# Altium PCB Health Bracelet PCB.PcbDoc (continued)
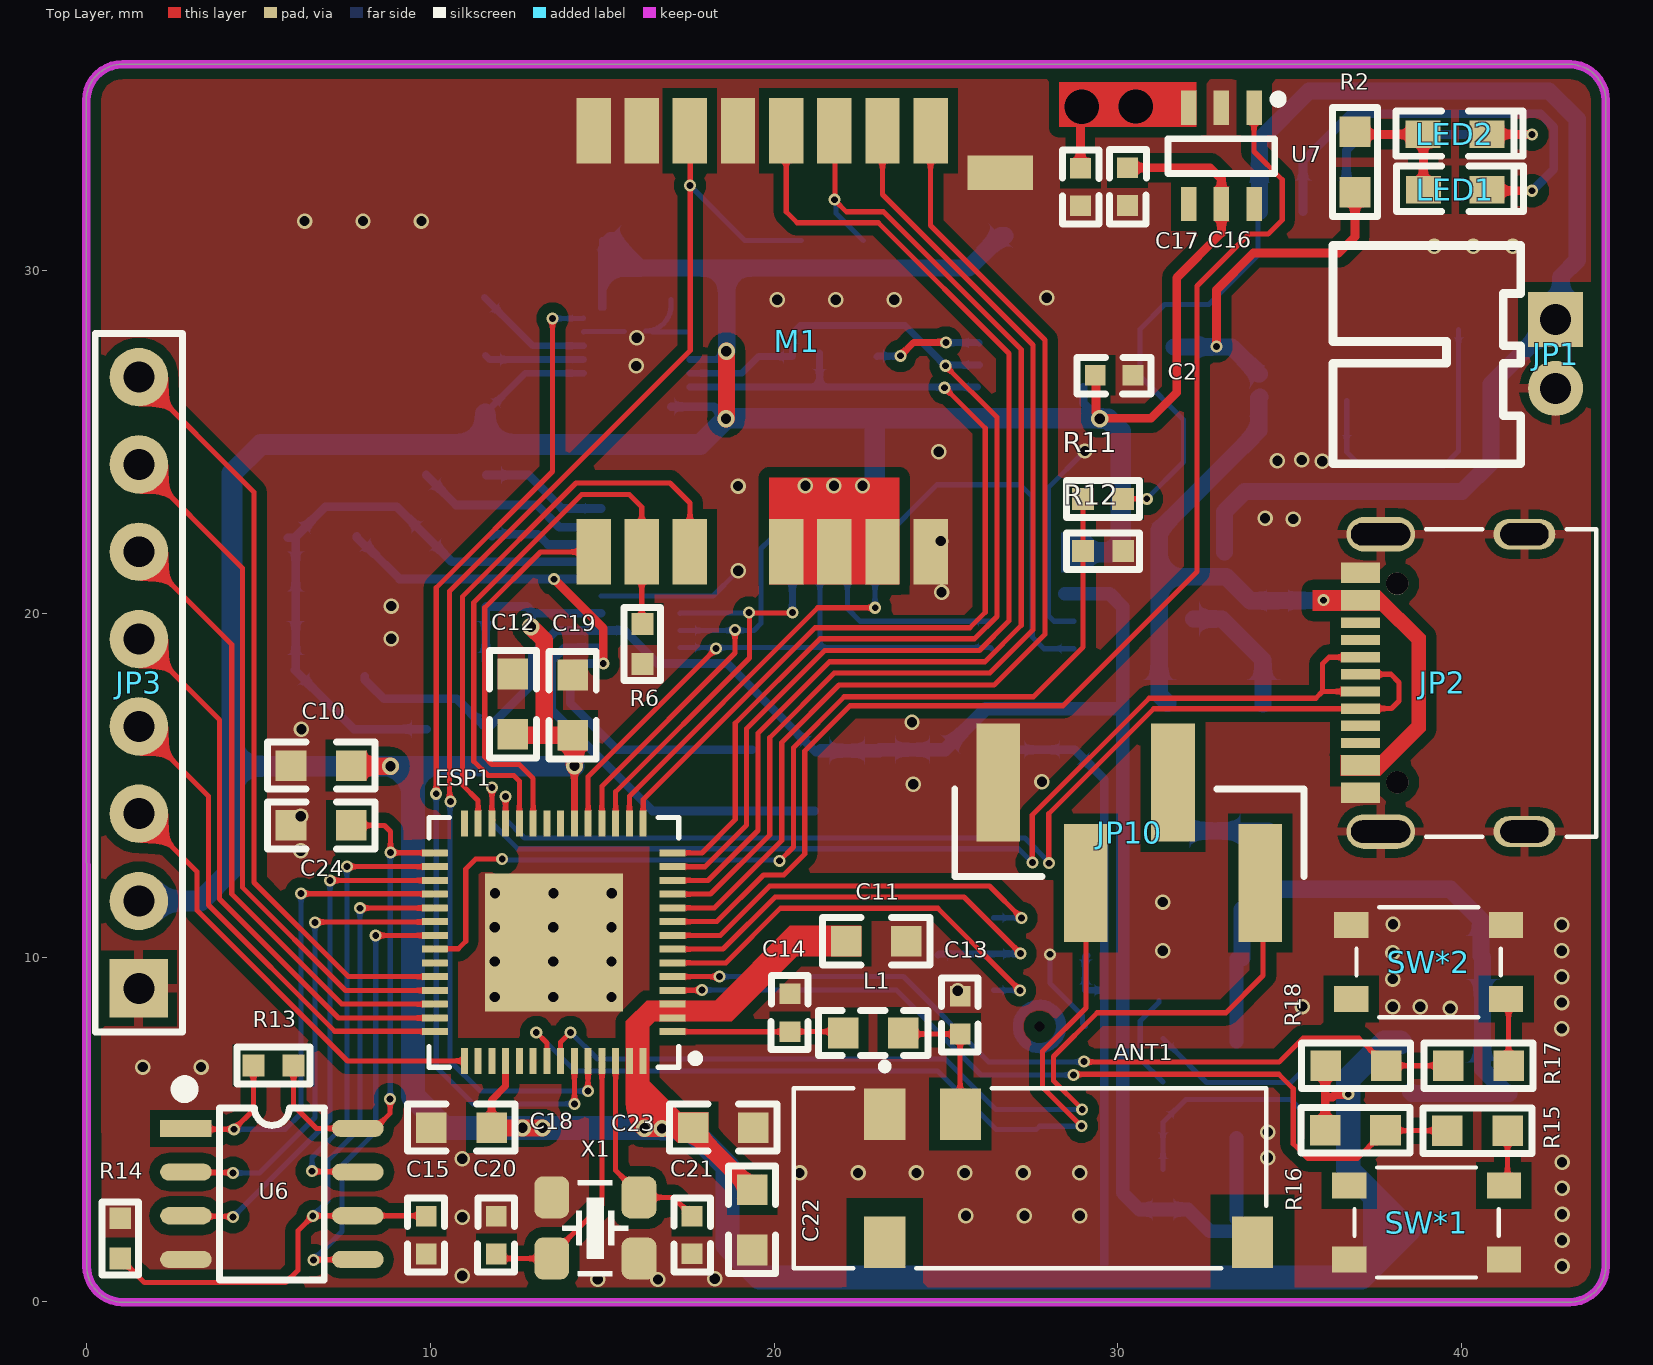
[diagram p0: Top Layer view]
## Footprints (in the part's own frame and the unit in brackets; to place one, negate y for a bottom-side part, rotate by r counter-clockwise, add the part's x,y. Pads: shape width x height; smd on the part's side, far side on the other; paste and mask are expansions set on the pad) (continued)
  oval 0.9x1.8 hole 0.65 slot 1.4 at 90 deg: S3(-4.071,-0.833) S4(4.579,-0.833)
  round 0.65 hole 0.65 unplated: ""(-2.636,2.867) ""(3.144,2.867)
  silkscreen extent -4.22,-2.92 4.72,2.03, body extent -4.22,-3.36 4.72,4.39, height 3.26
XTAL-3225-4 [mil]
  rrect50% 40x48 smd: 1(-50,-35) 2(50,-35) 3(50,35) 4(-50,35)
  silkscreen extent -38,-54 38,54, body extent -63,-49 63,49, height 41

## Part data
C1 C2 C3 C4 C5 C6 C7 C8 C9 C10 C11 C12 C13 C14 C15 C16 C17 C18 C19 C20 C21 C22 C23 C24 C25 C27 C28 C29 C30 C31 C32 C33 C34 C35 C36 C37 C38: library part C, "Non-polar patch capacitor", BOM名称=无极性贴片电容, 学习资源=www.ooocke.com, 版权归属=源创客
ESP1: library part "ESP32-S3 CHIP"
FB1: library part FB, "Ferrite Bead", BOM名称=贴片电阻, 学习资源=www.ooocke.com, 版权归属=源创客
JP1: library part "Header 2", "2P Connector", BOM名称=2P接插件, 学习资源=www.ooocke.com, 版权归属=源创客
JP2: library part USB-C-RIGHT
JP3: library part "Header 8", "8P Connector", BOM名称=8P接插件, 学习资源=www.ooocke.com, 版权归属=源创客
JP10: library part "Header 4", "4P Connector", BOM名称=4P接插件, 学习资源=www.ooocke.com, 版权归属=源创客
L1: library part L, "Low power chip inductor", BOM名称=小功率贴片电感, 学习资源=www.ooocke.com, 版权归属=源创客
LED1 LED2: "Patch LED", BOM名称=贴片LED, 学习资源=www.ooocke.com, 版权归属=源创客
R1 R2 R3 R4 R5 R6 R7 R8 R9 R10 R11 R12 R13 R14 R15 R16 R17 R18 R19 R20 R21: library part R, "Chip resistor", BOM名称="Chip resistor", 学习资源=www.ooocke.com, 版权归属=源创客
RA1 RA2: library part R-ARR, "4 way Chip Resistor Array"
SW*1 SW*2: library part "TSW 3x3", "3x3 tact switch"
U3: "P-Channel"
U5: library part RT9166A-33GXL
U6: "Two-wire Serial EEPROM", BOM名称=外置EEPROM, 学习资源=www.ooocke.com, 版权归属=源创客
U8: "Body Temprature"
U11: library part MAX86150EFF+
X1: library part XTAL-4, "4-Pin crystal", BOM名称=4脚晶振, 学习资源=www.ooocke.com, 版权归属=源创客
Z1 Z2: library part 1N4106, "12V/0.5W voltage regulator", BOM名称=12V/0.5W稳压管, 学习资源=www.ooocke.com, 版权归属=源创客

## Free pads (board coordinates)
  round 0 hole 1: 30(28.95,34.75) 30(30.52,34.76)

## Via types
v1: diameter 0.45, hole 0.3, Top Layer to Bottom Layer, tented both sides, 85 vias
v2: diameter 0.35, hole 0.2, Top Layer to Bottom Layer, tented both sides, 56 vias
v3: diameter 0.5, hole 0.3, Top Layer to Bottom Layer, tented both sides, 10 vias

## Nets (pads, with @x,y where several pads share a name; then routed paths per layer and width w, separated by ;. In a path a pad name is that pad's centre, name@x,y a point inside that pad or via, vN(x,y) a via of type N, cw(c..) or ccw(c..) an arc to the next point about the centre after c; other vN are vias at no path point)
1.8V: C4.1 C29.1 C30.1 C35.1 C36.1 FB1.2 R7.1 U4.5 U10.11 U11.14 | length 51.6
  Bottom Layer w0.254: C36.1@8.091,18.179 8.091,18.088 8.266,17.912 8.649,17.53 10.769,17.53 C35.1@11.529,16.77 ; C35.1 12.96,17.961 12.96,18.82 13.66,19.52 U11.14 15.65,19.52 16.61,18.56 18.635,18.56 FB1.2 21.215,15.98 FB1.2@21.36,15.98 ; C29.1@23.053,16.024 C29.1
  Bottom Layer w0.4: FB1.2@21.36,16.024 C29.1@23.053,16.024 ; C29.1 C30.1 26.155,17.24 30.08,17.24 ; U10.11@28.45,20.59 29.75,20.59 30.14,20.2 30.14,3.16 30.622,2.678 R7.1 32.042,2.678 32.68,2.04 C4.1@33.58,2.04 ; U4.5 33.45,2.39 C4.1@33.66,2.18
1.8VD: C31.2 C32.2 FB1.1 U11.13 | length 11.8
  Bottom Layer w0.254: U11.13@14.86,19.02 13.906,19.02 13.52,18.634 13.52,17.21 16.459,14.271 17.53,14.271 19.36,14.271 FB1.1
3.3V: C2.2 C3.1 C6.1 C9.1 C10.1 C11.1 C12.1 C16.1 C18.1 C19.1 C22.1 C23.1 C25.1 C27.1 C28.1 C33.1 C34.1 ESP1.2 ESP1.3 ESP1.20 ESP1.46 ESP1.55 ESP1.56 JP3.2 M1.5 M1.6 M1.7 R16.1 R18.1 RA1.1 RA1.2 RA1.3 RA1.4 RA2.1 RA2.2 RA2.3 RA2.4 U2.1 U2.8 U2.13 U2.22 U5.3 U7.5 U8.8 U9.6 U9.7 U10.9 U10.10 U11.15 | length 196.6
  Top Layer w0.15: v3@14.15,15.58 v3@14.19,15.54
  Top Layer w0.2: C18.1 11.779,5.854 12.189,6.265 ESP1.46@12.189,6.909 ; C12.1 C12.1@12.43,16.471 ; ESP1.20@14.19,13.903 v3@14.19,15.54 ; M1.5@20.22,21.71 20.315,21.805 M1.5 M1.6 M1.7
  Top Layer w0.254: C10.1 C10.1@7.719,15.57 ; C2.2 29.36,26.92 29.36,25.857 29.47,25.747 v3(29.47,25.68) 29.48,25.69 30.96,25.69 31.71,26.44 31.71,29.78 33.01,31.08 U7.5 33.01,32.65 32.68,32.98 C16.1 ; R16.1 36.031,5.94 ; R18.1@36.04,7.01 36.031,7.001 36.031,5.94 ; v2(36.7,6.03) 36.682,6.012 36.313,6.012 36.241,5.94 36.031,5.94
  Top Layer w0.5: C10.1@7.719,15.57 v3(8.84,15.57) ; C18.1@11.87,5.02 11.9,5.05 v3(13.26,5.05) ; C12.1@12.43,16.471 13.31,16.471 ; v3(12.92,19.63) 13.31,19.24 13.31,16.471 ; C19.1 13.31,16.471 ; v3@14.189,15.58 C19.1@14.189,16.258 ; v3(16.23,5.04) C23.1@17.58,5.04 ; C23.1@17.58,5.08 17.621,5.08 C23.1 17.836,4.865 17.836,4.774 C22.1 ; v3(18.6,25.68) 18.61,25.69 v3(18.61,27.64)
  Bottom Layer w0.2: C9.1 12.759,27 U2.8 ; U2.13 C3.1@15,30.86 ; U2.22 18.329,27.4 18.569,27.64 v3(18.61,27.64) ; U9.7@29.1,10.06 29.08,10.06 29.054,10.033 U9.6 29.524,9.054 29.55,9.08
  Bottom Layer w0.254: C34.1@11.609,18.635 C33.1@11.609,20.2 ; C33.1 12.801,20.22 12.95,20.071 ; v3(12.92,19.63) 12.95,19.66 12.95,20.02 U11.15 ; U2.1@17.017,26.03 18.25,26.03 v3(18.6,25.68) ; C27.1 C28.1 29.6,15.193 29.6,0.74 29.61,0.73 ; U8.8 28.995,26.135 29.45,25.68 v3(29.47,25.68)
  Bottom Layer w0.5: C3.1@15.26,30.86 15.291,30.86 16.091,30.06 18.62,30.06 ; v3(18.6,25.68) v3@18.61,25.69 ; v3(18.61,27.64) 18.62,27.65 18.62,30.06 ; RA2.1 RA2.2 RA2.3 RA2.4@22.88,23.05 ; RA1.1@22.93,25.54 RA1.1 ; C25.1@26.71,31 26.591,31 25.651,30.06 18.62,30.06 ; U5.3@38.199,7.526 U5.3
  Bottom Layer w0.6: JP3.2 3.31,11.65 4.23,12.57 4.23,15.57 ; C9.1@11.599,25.82 11.599,24.93 ; v3@14.18,15.57 9.52,15.57 v3(8.84,15.57) 4.23,15.57 ; v3(16.23,5.04) v3(16.23,5.04) ; v3@16.729,5.041 v3(16.74,5.03) ; v3(18.6,25.68) 17.85,24.93 11.599,24.93 ; v3@18.61,25.69 RA1.4 RA1.3 RA1.2 RA1.1@22.86,25.69 ; RA2.4 RA1.1@22.93,25.54 ; RA1.1 v3@29.53,25.69 ; 28.767,21.79 29.787,21.79 30.08,22.083 30.08,25.31 29.71,25.68 v3(29.47,25.68) ; 4.23,15.57 4.23,24.09 5.07,24.93 11.599,24.93
  Bottom Layer w0.7: 9.49,15.48 9.49,5.97 10.41,5.05 v3@16.22,5.05 ; v3(16.23,5.04) v3@16.729,5.041 ; v3(16.74,5.03) 17.54,5.03 18.64,3.93 18.64,1.638 19.578,0.7 29.6,0.7 37.087,0.7 C6.1 ; U5.3@38.199,7.535 37.758,7.535 36.7,6.477 36.7,3.827 C6.1@38.397,2.13
  other v1: 20.91,23.73 21.74,23.73 22.57,23.73
  other v3: 12.68,5.05 14.19,15.58
5VUSB: C1.1 JP2.A4 JP2.A9 JP2.B4 JP2.B9 R2.1 R3.2 U1.4 U3.1 Z1.1 | length 25.6
  Top Layer w0.254: v2(32.87,27.78) 32.87,29.43 33.94,30.5 36.42,30.5 36.897,30.977 R2.1
  Bottom Layer w0.5: Z1.1 31.2,17.65 31.2,21.08 ; C1.1 32.87,27.767 33.308,27.767 34.095,26.98 U1.4@34.11,26.98 ; U1.4@34.13,26.31 34.096,26.276 34.096,25.336 31.2,22.44 31.2,21.08 ; R3.2 33.847,20.383 33.15,21.08 31.2,21.08 ; R3.2@34.711,20.39 35.97,20.39 v2(35.98,20.4)
ADMP_SCL: ESP1.8 U9.1 | length 11.9
  Top Layer w0.15: ESP1.8@17.09,10.65 18.43,10.65 19.87,12.09 26.26,12.09 v2(27.19,11.16)
  Bottom Layer w0.15: U9.1 26.388,11.161 27.189,11.161 v2(27.19,11.16)
ADMP_SD: ESP1.7 R19.1 U9.2 | length 13.9
  Top Layer w0.15: ESP1.7@17.04,10.25 18.51,10.25 20.03,11.77 25.52,11.77 v2(27.17,10.12)
  Bottom Layer w0.2: R19.1@24.77,10.08 24.798,10.108 U9.2 26.392,10.114 27.164,10.114 v2(27.17,10.12)
ADMP_WS: ESP1.6 U9.3 | length 12.5
  Top Layer w0.15: ESP1.6@17.031,9.85 18.59,9.85 20.18,11.44 24.76,11.44 v2(27.15,9.05)
  Bottom Layer w0.15: U9.3 26.389,9.052 27.148,9.052 v2(27.15,9.05)
AP_SHOTDOWN: R8.1 U4.3 | length 5.5
  Bottom Layer w0.15: R8.1 31.556,7.408 31.556,7.394 32.58,6.37 35.03,6.37 35.34,6.68 U4.3@35.34,7.48
BAT_ADC: ESP1.36 R11.2 R12.1 | length 29.6
  Top Layer w0.15: ESP1.36@10.31,10.24 10.33,10.26 10.81,10.26 11.03,10.48 11.03,12.58 11.32,12.87 v2(12.09,12.87) ; v2(20.16,12.82) 20.56,13.22 20.56,16.11 22.04,17.59 27.54,17.59 28.988,19.038 R12.1 ; R12.1@28.983,21.827 R11.2
  Bottom Layer w0.15: v2(12.09,12.87) 12.115,12.845 20.135,12.845 v2(20.16,12.82)
DIS_BLK: ESP1.38 JP3.8 | length 22.5
  Top Layer w0.15: JP3.8 4.87,23.54 4.87,12.19 7.61,9.45 ESP1.38@10.103,9.45
DIS_CS: ESP1.39 JP3.7 | length 20.4
  Top Layer w0.15: JP3.7 4.53,21.34 4.53,12.05 7.53,9.05 ESP1.39@10.162,9.05
DIS_DC: ESP1.40 JP3.6 | length 18.3
  Top Layer w0.15: JP3.6 4.22,19.11 4.22,11.85 7.42,8.65 ESP1.40@10.11,8.65
DIS_RES: ESP1.41 JP3.5 | length 16.2
  Top Layer w0.15: JP3.5 3.87,16.92 3.87,11.71 7.332,8.248 ESP1.41
DIS_SCL: ESP1.43 JP3.3 | length 13.1
  Top Layer w0.15: JP3.3 3.21,12.5 3.21,11.38 7.59,7 ESP1.43@10.964,7
DIS_SDA: ESP1.42 JP3.4 | length 14.2
  Top Layer w0.15: JP3.4 3.55,14.7 3.55,11.53 7.22,7.86 ESP1.42@10.202,7.86
DWM_CLK: ESP1.13 M1.20 | length 32.7
  Top Layer w0.15: ESP1.13 17.988,12.648 19.2,13.86 19.2,16.67 21.47,18.94 25.97,18.94 26.83,19.8 26.83,27.58 23.03,31.38 20.67,31.38 20.35,31.7 M1.20
DWM_CS: ESP1.10 M1.17 | length 31.9
  Top Layer w0.15: ESP1.10@17.01,11.45 18.26,11.45 20.22,13.41 20.22,16.26 21.89,17.93 26.4,17.93 27.88,19.41 27.88,27.97 24.55,31.3 M1.17
DWM_EXTON: ESP1.23 M1.1 | length 11.2
  Top Layer w0.15: ESP1.23@12.99,13.91 12.99,15.214 12.584,15.62 11.794,15.62 11.58,15.834 11.58,20.18 13.205,21.805 M1.1
DWM_IRQ: ESP1.52 M1.22 R4.1 | length 39.1
  Top Layer w0.15: v2(10.59,14.54) 10.56,14.57 10.56,20.66 17.56,27.66 M1.22@17.56,34.03 ; v2(14.58,6.12) 14.585,6.125 14.585,6.945 ESP1.52@14.58,6.95
  Bottom Layer w0.15: v2(10.59,14.54) 10.57,14.52 10.57,7 11.45,6.12 v2(14.58,6.12) ; v2(17.55,32.46) 19.152,30.858 R4.1
DWM_MISO: ESP1.12 M1.19 R5.1 | length 33.4
  Top Layer w0.15: ESP1.12@16.959,12.25 18.08,12.25 19.53,13.7 19.53,16.53 21.61,18.61 26.13,18.61 27.19,19.67 27.19,27.69 23.18,31.7 22.1,31.7 v2@21.77,32.03 ; v2@21.77,32.05 M1.19@21.77,33.76
  Bottom Layer w0.15: v2(21.76,32.05) 21.798,32.012 21.798,31.657 R5.1
DWM_MOSI: ESP1.11 M1.18 | length 31.7
  Top Layer w0.15: ESP1.11@17.01,11.85 18.15,11.85 19.87,13.57 19.87,16.4 21.75,18.28 26.27,18.28 27.53,19.54 27.53,27.82 23.15,32.2 M1.18
DWM_RSTN: ESP1.27 M1.3 | length 16.4
  Top Layer w0.15: ESP1.27 11.389,14.571 10.93,15.03 10.93,20.5 14.24,23.81 16.97,23.81 17.55,23.23 M1.3
DWM_WAKEUP: ESP1.24 M1.2 R6.1 | length 16.8
  Top Layer w0.15: ESP1.24@12.59,14.02 12.59,15.134 12.424,15.3 11.674,15.3 11.26,15.714 11.26,20.33 14.4,23.47 15.79,23.47 16.15,23.11 M1.2 ; M1.2@16.11,21.67 16.148,21.632 R6.1@16.148,19.83
ESP_EN: ESP1.4 R15.1 R16.2 | length 25.8
  Top Layer w0.15: ESP1.4 17.05,9.054 17.894,9.054 v2(17.9,9.06) ; v2(28.71,6.59) 28.73,6.61 34.68,6.61 35.1,6.19 35.1,4.59 35.53,4.16 36.964,4.16 R16.2 37.794,4.99 R16.2@37.8,4.99 ; R16.2@37.82,4.97 R15.1
  Bottom Layer w0.15: v2(17.9,9.06) 23.55,9.06 26.02,6.59 v2(28.71,6.59)
ESP_IO0: ESP1.5 R17.1 R18.2 | length 24.2
  Top Layer w0.15: ESP1.5@17.045,9.449 v2(18.41,9.45) ; v2(29.01,6.98) 29.02,6.97 34.69,6.97 35.38,7.66 37.004,7.66 R18.2 39.55,6.86 R17.1@39.56,6.87
  Bottom Layer w0.15: v2(18.41,9.45) 23.76,9.45 26.24,6.97 29,6.97 v2(29.01,6.98)
GND: ANT1.1 C1.2 C2.1 C3.2 C4.2 C5.2 C6.2 C7.2 C8.2 C9.2 C10.2 C11.2 C12.2 C13.2 C14.2 C15.1 C16.2 C17.2 C18.2 C19.2 C20.2 C21.2 C22.2 C23.2 C24.2 C25.2 C27.2 C28.2 C29.2 C30.2 C33.2 C34.2 ESP1.57 JP1.2 JP2.A1 JP2.A12 JP2.B1 JP2.B12 JP2.S1 JP2.S2 JP2.S3 JP2.S4 JP3.1 JP10.1 M1.8 M1.16 M1.21 M1.23 M1.24 R1.2 R3.1 R4.2 R5.2 R6.2 R8.2 R9.2 R10.2 R12.2 R14.1 R19.2 R20.1 SW*1.1 SW*2.1 U1.3 U2.11 U2.18 U2.20 U2.25 U4.2 U5.1 U6.4 U7.2 U8.4 U8.5 U8.6 U8.7 U8.9 U9.4 U9.5 U9.8 U10.4 U10.12 U11.16 X1.2 X1.4 | length 19.3
  Bottom Layer w0.15: U2.11 cw(c14.475,28.2) 14.475,28.22 U2.25@15.65,28.22 ; U11.16 18.22,20.52 18.9,21.2 v1@18.9,21.23 ; U2.25@16.26,28.23 ccw(c16.26,28.97) 17,28.97 U2.18 ; U2.25@16.47,28.2 U2.20 ; v2(28.02,10.1) 28.02,9.26 28.968,8.312 28.968,8.086 U9.5 ; U10.12 28.14,19.79 27.972,19.958 27.972,23.672 v1@29.01,24.71 ; R8.2@31.19,8.75 31.19,8.695 30.65,8.155 30.65,7.047 R10.2
  other v1: 14.87,0.65 16.62,0.64 18.27,0.66 10.93,0.75 42.92,1.03 42.92,1.785 10.93,2.45 25.58,2.49 27.28,2.49 28.89,2.49 42.92,2.54 42.92,3.295 20.74,3.74 22.44,3.74 24.14,3.74 25.54,3.74 27.24,3.74 28.89,3.74 42.92,4.05 10.93,4.15 34.36,4.18 34.36,4.93 1.63,6.82 3.33,6.82 42.91,7.94 39.671,8.524 35.36,8.58 37.991,8.574 38.791,8.574 42.91,8.695 11.87,8.86 13.57,8.86 15.27,8.86 25.34,9.04 37.99,9.38 42.91,9.45 11.87,9.89 13.57,9.89 15.27,9.89 38,10.15 31.3,10.2 42.91,10.205 11.87,10.89 13.57,10.89 15.27,10.89 42.91,10.96 38.001,10.974 31.3,11.62 11.88,11.88 13.58,11.88 15.28,11.88 6.23,13.113 6.23,14.12 24.05,15.05 27.79,15.12 6.25,16.65 24.01,16.85 8.86,19.28 8.86,20.23 24.87,20.63 18.96,21.26 24.85,22.12 34.28,22.78 35.1,22.76 18.95,23.72 35.94,24.44 34.64,24.46 35.35,24.48 24.79,24.72 29.04,24.74 15.99,27.213 16,28.033 20.09,29.14 21.79,29.14 23.49,29.14 27.93,29.2 39.2,30.7 40.34,30.7 41.48,30.7 6.34,31.43 8.04,31.43 9.74,31.43
GNDA: C35.2 C36.2 C38.2 R20.2 R21.1 U11.18 | length 18.6
  Bottom Layer w0.254: R21.1@5.85,22.22 6.051,22.22 R21.1 ; C35.2 7.776,16.65 C36.2 6.081,18.395 R20.2 R21.1 ; U11.18@14.92,21.54 14.9,21.52 10.625,21.52 C38.2 9.025,23.12 6.951,23.12 R21.1
GNDD: C31.1 C32.1 R21.2 U11.17 | length 18.5
  Top Layer w0.254: v2(13.6,21.01) 15.03,19.58 v2(15.03,18.56)
  Bottom Layer w0.254: R21.2@7.86,22.26 7.86,22.224 8.178,21.906 8.214,21.906 9.1,21.02 U11.17 ; v2(15.03,18.56) 14.219,18.56 14.07,18.411 14.07,17.41 15.431,16.049 C32.1 ; C32.1@17.559,16.049 C31.1
IMU_INT: ESP1.51 U2.12 | length 29.8
  Top Layer w0.15: v2(10.17,14.77) 10.17,20.76 13.55,24.14 v2(13.55,28.59) ; v2@14.19,5.75 14.19,6.93 ESP1.51@14.21,6.95
  Bottom Layer w0.15: v2(10.17,14.77) 10.17,6.82 11.24,5.75 v2(14.19,5.75) ; v2(13.55,28.59) 13.555,28.595 14.45,28.595 U2.12
IMU_SCL: ESP1.14 RA1.5 U2.23 U8.2 | length 31.8
  Top Layer w0.15: ESP1.14@17,13.05 17.9,13.05 18.87,14.02 18.87,16.82 21.33,19.28 25.83,19.28 26.48,19.93 26.48,25.72 v2(24.98,27.22)
  Bottom Layer w0.2: U2.23 19.054,27 19.544,27.49 RA1.5 20.53,28.16 20.76,28.39 23.81,28.39 v2(24.98,27.22) ; v2@24.98,27.24 U8.2@25.981,27.24
IMU_SDA: ESP1.15 RA1.6 U2.24 U8.1 | length 29.4
  Top Layer w0.15: ESP1.15@16.19,13.85 16.19,14.6 21.19,19.6 25.69,19.6 26.14,20.05 26.14,25.4 v2(24.96,26.58)
  Bottom Layer w0.2: U2.24 21.32,26.6 ; RA1.6@21.32,27.586 21.32,26.6 ; v2(24.96,26.58) v2@24.96,26.6 ; U8.1@25.912,26.6 v2@24.96,26.6 ; 21.32,26.6 v2@24.96,26.6
INPUT: C17.1 pad.30 U7.3 | length 1.5
  Top Layer w0.254: C17.1 28.91,34.48
LNA: C14.1 ESP1.1 L1.2 | length 5
  Top Layer w0.15: ESP1.1 C14.1 ; C14.1 21.91,7.85 L1.2@22,7.76
MAX30102_INT: ESP1.16 RA2.5 U10.13 | length 22.9
  Top Layer w0.15: ESP1.16@15.79,13.89 15.79,14.7 21.27,20.18 v2(22.94,20.18)
  Bottom Layer w0.15: v2(22.94,20.18) 22.935,20.185 22.935,21.245 RA2.5 22.93,21.95 24.74,23.76 27.16,23.76 27.51,23.41 27.51,19.33 27.85,18.99 U10.13
MAX30102_SCL: ESP1.19 RA2.7 U10.2 U11.9 | length 17.9
  Top Layer w0.15: ESP1.19 14.589,15.269 v2(18.31,18.99)
  Bottom Layer w0.15: U11.9 v2@18.31,19.02 ; v2(18.31,18.99) v2@18.31,19.02 ; RA2.7@21.33,21.18 21.33,19.02 ; U10.2 26.29,19.02 22.18,19.02 21.33,19.02 ; v2@18.31,19.02 21.33,19.02
MAX30102_SDA: ESP1.18 RA2.6 U10.3 U11.8 | length 20.7
  Top Layer w0.15: ESP1.18 14.989,14.989 18.86,18.86 v2(18.86,19.54)
  Bottom Layer w0.15: U11.8 18.84,19.52 v2(18.86,19.54) ; v2@18.86,19.52 19.41,19.52 19.62,19.73 19.62,21.9 19.88,22.16 21.91,22.16 22.13,21.94 RA2.6 22.13,20.16 22.5,19.79 U10.3
MAX86150_INT: ESP1.17 RA2.8 U11.7 | length 12.2
  Top Layer w0.15: ESP1.17 15.389,14.829 19.28,18.72 v2@19.28,20.03 ; v2(19.27,20.04) v2@19.28,20.03 ; v2(20.53,20.04) 20.52,20.03 v2@19.28,20.03
  Bottom Layer w0.15: U11.7 17.27,20.03 19.26,20.03 v2(19.27,20.04)
  Bottom Layer w0.2: v2(20.53,20.04) 20.53,21.2 RA2.8@20.55,21.22
NetANT1_2: ANT1.2 C13.1 L1.1 | length 3.9
  Top Layer w0.15: L1.1 23.789,7.78 C13.1 25.41,7.7 ANT1.2@25.41,5.55
NetC8_1: C8.1 U2.10 | length 3.5
  Bottom Layer w0.2: C8.1 12.979,27.8 U2.10
NetC37_1: C37.1 U11.21 | length 3.7
  Bottom Layer w0.254: C37.1 12.86,24.04 13.83,23.07 U11.21
NetC37_2: C37.2 U11.20 | length 5.7
  Bottom Layer w0.254: C37.2 10.746,23.17 13.1,23.17 13.75,22.52 U11.20
NetC38_1: C38.1 U11.19 | length 3.3
  Bottom Layer w0.254: C38.1@11.79,22.27 11.84,22.32 13.12,22.32 13.42,22.02 U11.19
NetJP2_A2: 
NetJP2_A10: 
NetJP2_B2: 
NetJP2_B10: 
NetLED1_1: LED1.1 LED2.1 R2.2 | length 3.6
  Top Layer w0.254: R2.2@36.89,33.95 LED2.1@38.875,33.95 ; LED1.1 LED2.1@38.886,33.926
NetLED1_2: LED1.2 U1.6 | length 12.9
  Top Layer w0.254: LED1.2 40.769,32.31 v2(42.05,32.31)
  Bottom Layer w0.254: U1.6 35.385,33.165 36.77,34.55 42.29,34.55 42.68,34.16 42.68,32.94 v2(42.05,32.31)
NetLED2_2: LED2.2 U1.7 | length 8.2
  Top Layer w0.254: LED2.2@40.731,33.95 v2(42.04,33.95)
  Bottom Layer w0.254: U1.7@36.65,32.22 36.65,33.48 37.12,33.95 v2(42.04,33.95)
NetR1_1: R1.1 U1.2 | length 8.6
  Bottom Layer w0.15: U1.2 36.655,24.715 37.06,24.31 39.48,24.31 39.91,24.74 R1.1@39.91,28.27
NetR7_2: R7.2 R10.1 U4.4 | length 6.6
  Bottom Layer w0.15: R7.2 R10.1 31.978,5.88 35.03,5.88 35.35,5.56 U4.4
NetR9_1: R9.1 U2.9 | length 2.9
  Bottom Layer w0.2: R9.1 11.719,27.4 U2.9
NetR15_2: R15.2 SW*1.2 | length 1.6
  Top Layer w0.15: R15.2 41.334,3.406 SW*1.2@41.35,3.39
NetR17_2: R17.2 SW*2.2 | length 2
  Top Layer w0.15: SW*2.2@41.31,8.86 41.364,8.806 R17.2
NetRA1_8: RA1.8 U8.3 | length 3.2
  Top Layer w0.2: v2(23.67,27.51) 24.06,27.9 v2(25,27.9)
  Bottom Layer w0.2: RA1.8@22.99,27.48 23.01,27.5 23.66,27.5 v2(23.67,27.51) ; v2(25,27.9) 25.008,27.892 25.953,27.892 U8.3@25.966,27.88
NetU3_3: U3.3 Z2.1 | length 3.8
  Bottom Layer w0.5: U3.3@32.2,19.855 33.025,19.855 34.22,18.66 Z2.1@34.22,17.39
REGIN: C5.1 C7.1 U4.1 U5.2 Z1.2 Z2.2 | length 24.1
  Bottom Layer w0.4: U4.1 C7.1@33.45,9.977
  Bottom Layer w0.5: Z1.2@31.49,13.68 Z1.2@31.5,13.69 ; Z1.2@31.68,13.69 Z2.2@34.38,13.69 ; C7.1 33.607,11.397 34.2,11.99 ; Z2.2 34.2,11.99 ; U5.2@38.51,6.1 38.562,6.048 41.367,6.048 41.38,6.061 41.303,6.061 40.603,6.761 C5.1 40.558,10.055 40.558,11.102 39.67,11.99 34.2,11.99
RXD0: ESP1.50 JP10.4 | length 28.8
  Top Layer w0.15: ESP1.50 13.789,7.539 v2(14.08,7.83) ; v2(28.961,5.59) 28.13,6.421 28.13,7.13 29.4,8.4 33.14,8.4 34.22,9.48 JP10.4@34.22,12.61
  Bottom Layer w0.15: v2(14.08,7.83) 14.86,7.05 24.98,7.05 26.44,5.59 v2(28.961,5.59)
SPICLK: C15.2 ESP1.33 R14.2 U6.6 | length 22.5
  Top Layer w0.15: R14.2 1.68,0.55 5.79,0.55 6.151,0.911 6.151,2.061 6.583,2.493 7.888,2.493 U6.6 9.935,2.495 C15.2@9.96,2.52 ; v2(7.95,11.44) 7.954,11.444 10.164,11.444 ESP1.33@10.17,11.45
  Bottom Layer w0.15: v2(6.58,2.49) 7.02,2.93 7.02,4.11 7.95,5.04 v2(7.95,11.44)
SPICS0: ESP1.32 R13.2 U6.1 | length 15.9
  Top Layer w0.15: U6.1 2.915,5.01 v2(4.29,5.01) 4.853,5.573 R13.2 ; v2(6.24,11.87) 6.251,11.859 10.108,11.859 ESP1.32@10.118,11.848
  Bottom Layer w0.15: v2(4.29,5.01) 5.78,5.01 6.24,5.47 v2(6.24,11.87)
SPID: ESP1.35 U6.5 | length 13.2
  Top Layer w0.15: v2(6.6,1.21) 6.608,1.218 7.882,1.218 U6.5 ; v2@8.411,10.649 ESP1.35
  Bottom Layer w0.15: v2(6.6,1.21) 7.43,2.04 7.43,3.96 8.41,4.94 v2(8.41,10.65)
SPIHD: ESP1.30 U6.7 | length 13.2
  Top Layer w0.15: v2(6.56,3.79) 6.572,3.778 7.877,3.778 U6.7 ; v2@7.571,12.649 ESP1.30@10.134,12.649
  Bottom Layer w0.15: v2(6.56,3.79) 6.56,4.19 7.57,5.2 v2(7.57,12.65)
SPIQ: ESP1.34 U6.2 | length 13.7
  Top Layer w0.15: U6.2 2.902,3.752 4.247,3.752 v2(4.26,3.74) ; v2(6.64,11.03) 6.649,11.039 10.219,11.039 ESP1.34@10.228,11.03
  Bottom Layer w0.15: v2(4.26,3.74) 5.03,3.74 6.64,5.35 v2(6.64,11.03)
SPIWP: ESP1.31 U6.3 | length 15.3
  Top Layer w0.15: U6.3 2.907,2.478 4.242,2.478 v2(4.26,2.46) ; v2@7.081,12.249 ESP1.31@10.009,12.249
  Bottom Layer w0.15: v2(4.26,2.46) 7.08,5.28 v2(7.08,12.25)
TTP223_OUT: ESP1.9 U7.1 | length 36.4
  Top Layer w0.15: ESP1.9@17.05,11.05 18.33,11.05 19.69,12.41 20.28,12.41 20.89,13.02 20.89,16.01 22.21,17.33 28.4,17.33 32.3,21.23 32.3,29.54 33.81,31.05 34.37,31.05 34.78,31.46 34.78,32.63 33.96,33.45 U7.1
TXD0: ESP1.49 JP10.2 | length 25.9
  Top Layer w0.15: v2(13.08,7.83) 13.389,7.521 ESP1.49 ; v2(28.94,5.1) 27.81,6.23 27.81,7.28 29.07,8.54 JP10.2@29.07,11.991
  Bottom Layer w0.15: v2(13.08,7.83) 14.2,6.71 24.75,6.71 26.46,5 27.623,5 27.723,5.1 v2(28.94,5.1)
USB_DN: ESP1.25 JP2.A7 JP2.B7 | length 32.3
  Top Layer w0.15: ESP1.25@12.18,13.96 12.188,13.968 12.188,14.692 v2(12.186,14.694) ; v2(27.99,12.75) 27.99,14.19 31.044,17.244 JP2.B7 ; JP2.A7 37.946,18.244 38.18,18.01 38.18,17.47 37.96,17.25 37.4,17.25 JP2.B7@37.33,17.18
  Bottom Layer w0.15: v2(12.186,14.694) 12.18,14.688 12.18,14.042 12.742,13.48 27.295,13.48 27.99,12.785 v2(27.99,12.75)
USB_DP: ESP1.26 JP2.A6 JP2.B6 | length 32.6
  Top Layer w0.15: v2(11.79,14.95) 11.79,14.04 ESP1.26@11.82,14.01 ; v2(27.51,12.77) 27.51,14.15 30.91,17.55 35.756,17.55 35.95,17.744 ; JP2.B6@37.03,18.75 37.02,18.74 36.14,18.74 35.95,18.55 35.95,17.744 ; JP2.A6 35.95,17.744
  Bottom Layer w0.15: v2(11.79,14.95) 11.79,13.92 12.54,13.17 27.11,13.17 v2(27.51,12.77)
Vbat: JP1.1 R11.1 U1.5 U3.2 | length 44.9
  Top Layer w0.15: R11.1 30.158,23.35 v2(30.84,23.35)
  Bottom Layer w0.15: v2(30.84,23.35) 31.91,24.42 31.91,25.65 30.64,26.92 30.64,28.284 31.356,29 32.64,29 34.075,30.435 34.075,31.555 U1.5@34.04,31.59
  Bottom Layer w0.5: U3.2@33.1,21.81 33.1,22.97 33.69,23.56 40.01,23.56 40.85,24.4 40.85,26.68 JP1.1 ; U1.5 34.115,33.765 35.56,35.21 42.54,35.21 43.36,34.39 43.36,30.288 42.889,29.817 42.889,28.617 JP1.1@42.782,28.51
VDD_SPI: C24.1 ESP1.29 R13.1 U6.8 | length 15.1
  Top Layer w0.15: R13.1 6.022,5.698 6.685,5.035 8.39,5.035 8.83,5.475 v2(8.83,5.89) ; C24.1 8.663,13.85 8.84,13.673 v2(8.84,13.06) 8.846,13.054 10.129,13.054 ESP1.29
  Bottom Layer w0.15: v2(8.83,5.89) 8.835,5.895 8.835,13.055 v2(8.84,13.06)
XTAL_N: C20.1 ESP1.53 X1.3 | length 8.3
  Top Layer w0.15: C20.1 12.049,1.251 X1.3 ; X1.3@13.87,1.34 13.781,1.251 X1.3 ; ESP1.53@15.01,6.91 14.989,6.889 14.989,2.812 13.53,1.353 X1.3
XTAL_P: C21.1 ESP1.54 X1.1 | length 5.9
  Top Layer w0.15: ESP1.54@15.37,6.96 15.389,6.941 15.389,3.811 16.07,3.131 X1.1 17.065,3.029 17.55,2.544 C21.1@17.55,2.52
pads on no net: ANT1.3 ANT1.4 ESP1.21 ESP1.22 ESP1.28 ESP1.37 ESP1.44 ESP1.45 ESP1.47 ESP1.48 JP2. JP2.A5 JP2.A8 JP2.B5 JP2.B8 JP10.3 RA1.7 U1.1 U1.8 U1.9 U2.2 U2.3 U2.4 U2.5 U2.6 U2.7 U2.14 U2.15 U2.16 U2.17 U2.19 U2.21 U7.4 U7.6 U9.9 U10.1 U10.5 U10.6 U10.7 U10.8 U10.14 U11.1 U11.2 U11.3 U11.4 U11.5 U11.6 U11.10 U11.11 U11.12 U11.22

## Polygon pours and split planes (outlines as drawn)
GND on Bottom Layer "GND_L02_P001" (solid, remove dead copper, pour order 1): 0,1.04 -0.01,24.45 -0.01,34.94 cw(c1.045,34.935) 1.05,35.99 43.17,35.99 43.14,35.99 cw(c43.135,34.935) 44.19,34.93 44.19,34.97 44.19,0.99 44.19,1.03 cw(c43.135,1.035) 43.13,-0.02 43.14,-0.02 1.02,-0.02 1.05,-0.02 cw(c1.055,1.035)
GND on Top Layer "GND_L01_P000" (solid, remove dead copper, pour order 0): 0,1.04 -0.01,24.45 -0.01,34.94 cw(c1.045,34.935) 1.05,35.99 43.17,35.99 43.14,35.99 cw(c43.135,34.935) 44.19,34.93 44.19,34.97 44.19,0.99 44.19,1.03 cw(c43.135,1.035) 43.13,-0.02 43.14,-0.02 1.02,-0.02 1.05,-0.02 cw(c1.055,1.035)

## Keep-outs
Keep-Out Layer:
  lines w0.254: -0.01,24.42 -0.01,34.96 ; -0.01,24.45 0,1.02 ; -0.01,34.94 cw(c1.045,34.935) 1.05,35.99 43.17,35.99 ; 0,1.04 ccw(c1.055,1.035) 1.05,-0.02 ; 1.02,-0.02 43.14,-0.02 ; 43.13,-0.02 ccw(c43.135,1.035) 44.19,1.03 ; 43.14,35.99 cw(c43.135,34.935) 44.19,34.93 ; 44.19,0.99 44.19,34.97

## Other copper
Top Layer:
  rectangle net 3.3V: 19.85,20.85 23.65,23.97
  rectangle net INPUT: 28.29,34.16 32.28,35.48
  region net 3.3V: 15.69,6.2 15.69,5.79 ccw(c17.09,5.79) 16.1,4.8 17.06,4.8
  region net 3.3V: 16.37,7.044 16.37,7.99 16.53,8.15 16.86,8.15 16.86,8.74 16.85,8.75 16.29,8.75 15.69,8.15 15.69,6.5
  region net 5VUSB: 35.66,20.69 37.62,20.69 38.95,19.36 38.95,16.62 37.63,15.3 36.48,15.3 36.48,15.88 36.47,15.89 37.62,15.89 38.55,16.82 38.55,19.17 37.62,20.1 35.66,20.1
  region net 3.3V: 16.66,8.15 18.76,8.15 20.66,10.05 22.53,10.05 22.53,10.92 22.52,10.93 20.46,10.93 18.28,8.75 16.66,8.75
  region net 3.3V: 15.69,7.375 15.69,6.13 17.2,4.62 18.08,4.62 18.08,5.5 17.27,5.5 16.37,6.4 16.37,7.375
Bottom Layer:
  rectangle net 3.3V: 20.26,22.65 23.18,23.96
  region net 3.3V: 16.17,29.81 15.64,29.81 ccw(c15.64,29.28) 15.11,29.28 15.11,28.88 cw(c15.06,28.88) 15.06,28.83 14.93,28.83 cw(c14.93,28.87) 14.89,28.87 14.89,30.68 15.25,30.68 cw(c15.25,30.59) 15.34,30.59
  region net 3.3V: 9.2,14.81 9.2,15.31 8.53,15.31 cw(c8.53,14.67) 9.17,14.67 9.17,14.04
  region net 3.3V: 9.79,15.31 10.28,15.31 ccw(c10.28,14.85) 9.82,14.85 9.82,14.54
  region net 3.3V: 28.35,21.22 29.09,21.22 29.219,21.349 cw(c29.68,20.888) 29.68,21.54 29.68,22.04 cw(c29.68,22.692) 29.219,22.231 29.09,22.36 28.35,22.36
  region net 3.3V: 37.14,3.13 37.14,0.97 38.17,2